# Altium PCB PCB1.PcbDoc (continued)
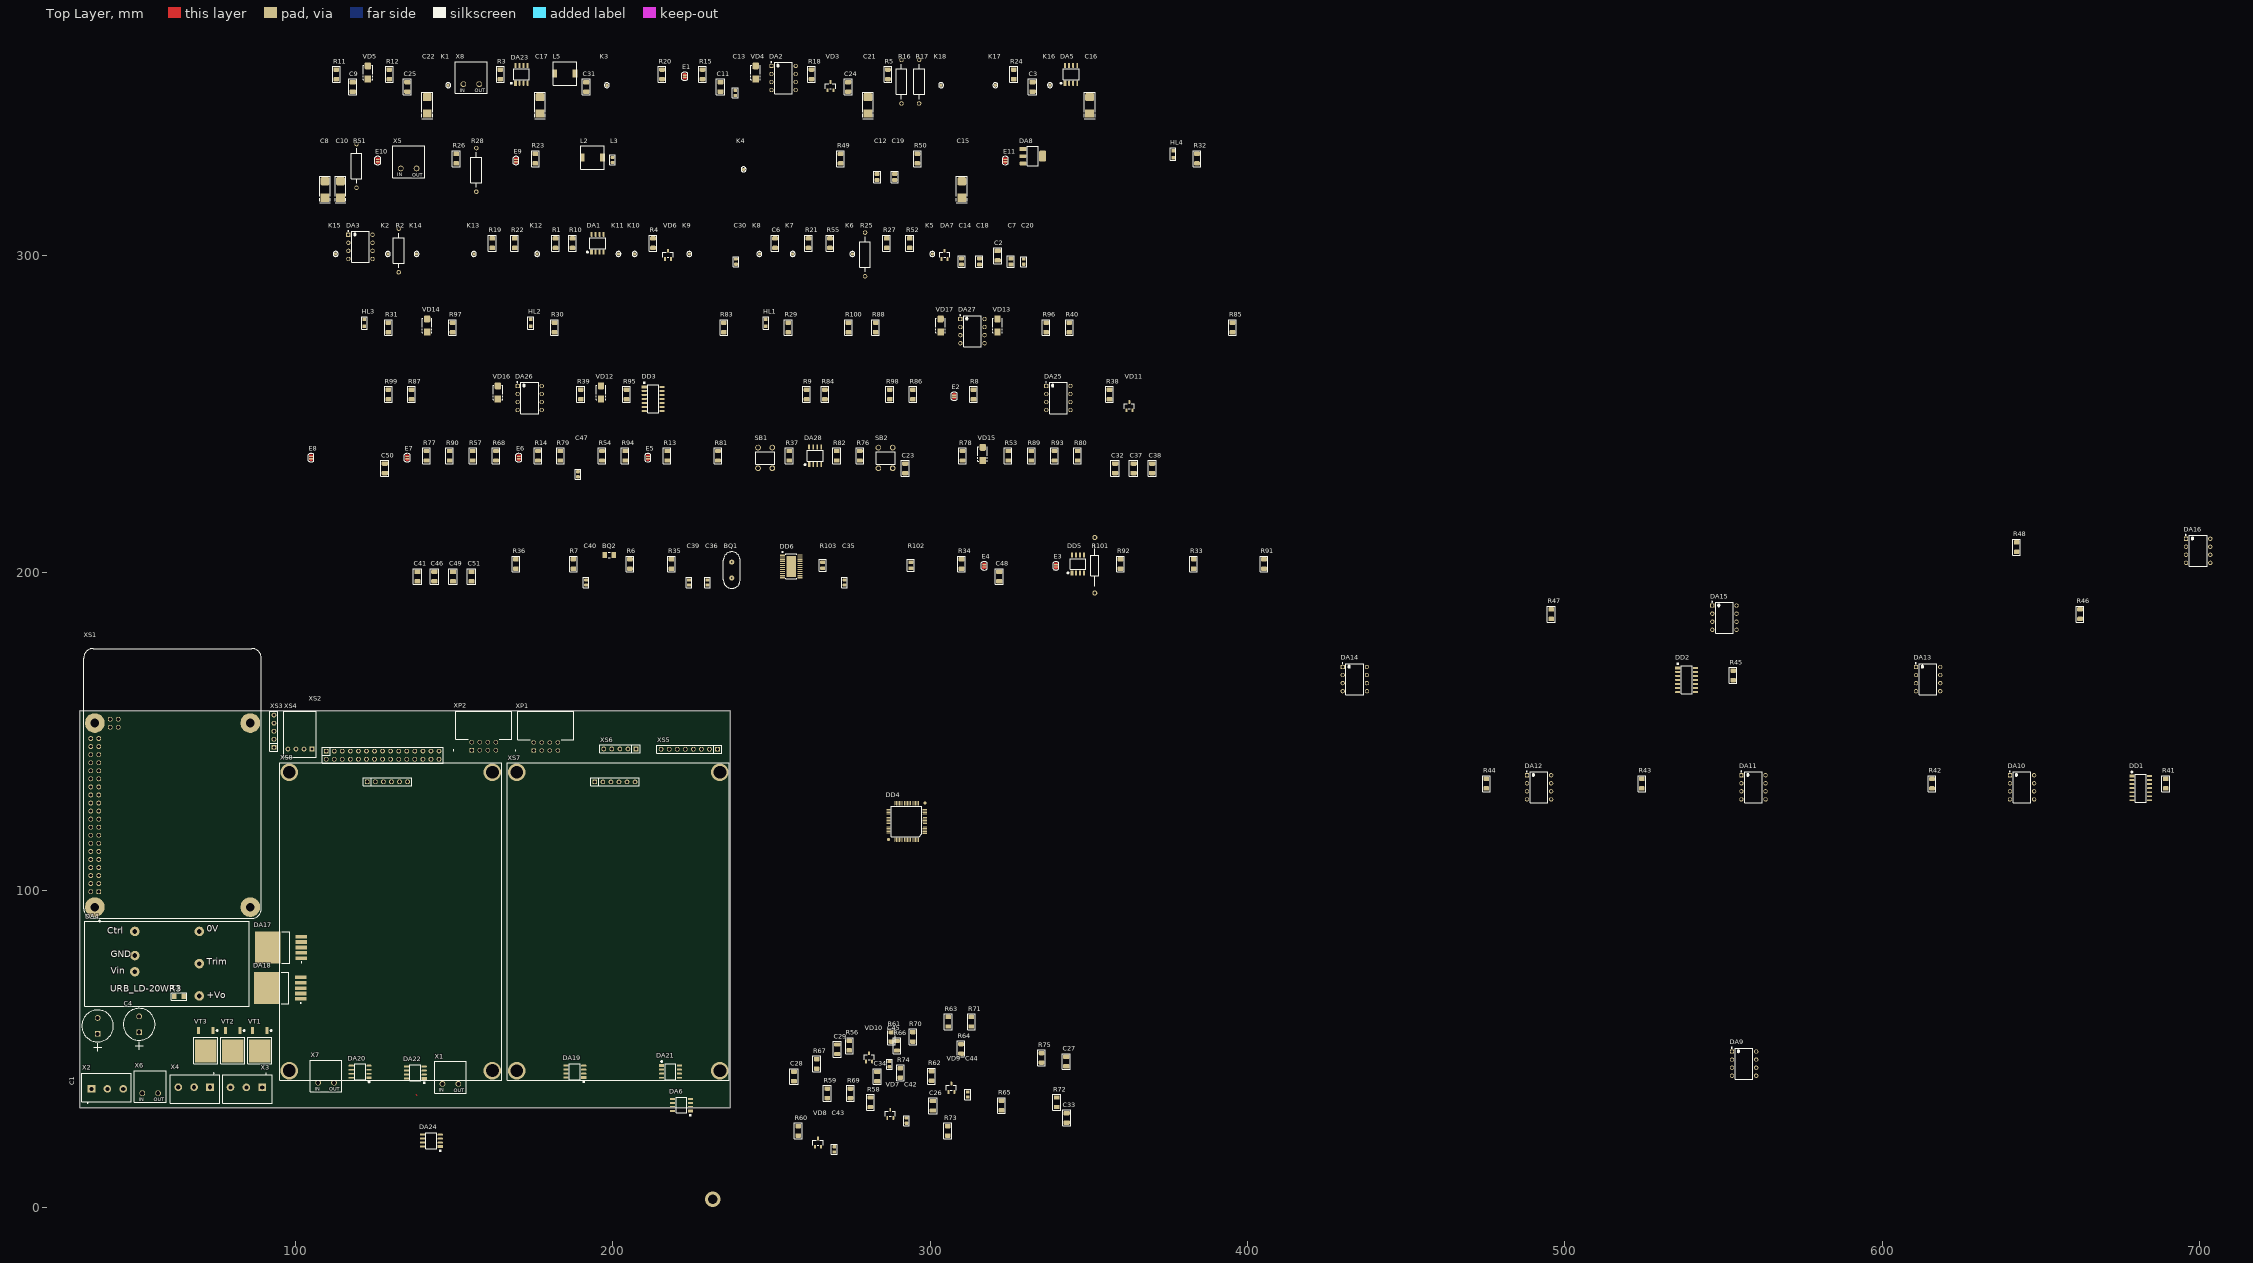
[diagram p0: Top Layer view]
## Footprints (in the part's own frame and the unit in brackets; to place one, negate y for a bottom-side part, rotate by r counter-clockwise, add the part's x,y. Pads: shape width x height; smd on the part's side, far side on the other; paste and mask are expansions set on the pad)
6N136 [mm]
  rect 1.35x1.35 hole 0.85: 1(-3.81,3.81)
  round 1.35 hole 0.85: 2(-3.81,1.27) 3(-3.81,-1.27) 4(-3.81,-3.81) 5(3.81,-3.81) 6(3.81,-1.27) 7(3.81,1.27) 8(3.81,3.81)
  silkscreen extent -4.04,-4.9 2.8,5.14, body extent -3.98,-4.83 3.94,4.83, height 5.08
32768SMD [mm] "32768SMD"
  rect 1.5x1.95 smd: 1(-1.425,0) 2(1.425,0)
  silkscreen extent -0.3,-0.87 0.3,0.87, body extent -1.75,-0.9 1.75,0.9, height 1
B340A [mm] "(SMA) Low profile package"
  rrect40% 2.2x2 smd: A(2.1,0)
  rect 2.2x2 smd: C(-2.1,0)
  silkscreen extent -2.3,-1.5 2.3,1.5, body extent -2.6,-1.3 2.6,1.3, height 2.4
B82472G6472M000 [mm]
  rect 1.5x2.5 smd: 1(-3.2,0) 2(3.2,0)
  silkscreen extent -3.7,-3.7 3.7,3.7, body extent -3.65,-3.65 3.65,3.65, height 3.5
C0603 [mm] "1608(Metric)"
  rrect50% 1x1.2 smd: 1(-0.8,0) 2(0.8,0)
  silkscreen extent -1.6,-0.9 1.6,0.9, body extent -0.8,-0.5 0.8,0.5, height 1.1
C0805 [mm] "2012(Metric)"
  rrect50% 1.2x1.6 smd: 1(-0.95,0) 2(0.95,0)
  silkscreen extent -1.85,-1.1 1.85,1.1, body extent -1,-0.72 1,0.73, height 1.5
C1206 [mm] "3216(Metric)"
  rrect50% 1.4x2 smd: 1(-1.5,0) 2(1.5,0)
  silkscreen extent -2.5,-1.3 2.5,1.3, body extent -1.6,-0.9 1.6,0.9, height 1.5
Capacitor10x20 [mm]
  round 1.8 hole 1.3: n(2.5,0)
  rect 1.8x1.8 hole 1.3: p(-2.5,0)
  silkscreen extent -8,-5 5,5, body extent -5,-5 5,5, height 21
"Case C" [mm] "C6032-P"
  rrect40% 2.6x2.8 smd: n(2.6,0)
  rect 2.6x2.8 smd: p(-2.6,0)
  silkscreen extent -4.2,-1.7 4.2,1.7, body extent -3.15,-1.7 3.15,1.7, height 2.8
DPAK [mm] "КТ-89, TO252"
  rect 2.2x1 smd: 1(-4.45,2.28) 3(-4.45,-2.28)
  rect 7.2x6.8 smd: 2(1.95,0)
  silkscreen extent -4.7,-3.8 5.9,3.8, body extent -4.97,-3.29 4.73,3.29, height 2.3
driver [mm]
  rect 1.5x1.5 hole 1: 1(-0.1,88)
  round 1.5 hole 1: 2(2.44,88) 3(4.98,88) 4(7.52,88) 5(10.06,88) 6(12.6,88)
  silkscreen extent -27.65,-6 42.35,94, body extent -1.38,86.76 13.86,89.29, height 8.6
E1(1mm) [mm]
  round 1 smd: 1(0,0)
  silkscreen extent -0.8,-0.8 0.8,0.8
E2 [mm] "Перемычка"
  rect 0.4x1.2 smd mask+0.1: 1(-0.35,0) 2(0.35,0)
  Top Layer region: -0.15,0.6 -0.7,0.6 -0.886,0.326 -0.953,0.002 -0.891,-0.323 -0.709,-0.6 -0.7,-0.6 -0.15,-0.6
  Top Layer region: 0.15,-0.6 0.7,-0.6 0.923,-0.221 0.926,0.218 0.709,0.6 0.7,0.6 0.15,0.6
  silkscreen extent -1.32,-0.9 1.32,0.9
HC-49S [mm] "HC49 Short Through-hole Mount Footprint"
  round 1.6 hole 0.6: 1(-2.5,0) 3(2.5,0)
  silkscreen extent -5.75,-2.65 5.75,2.65, body extent -5.68,-2.3 5.68,2.35, height 5
KLS2-300-5.00-03P-2S [mm]
  rect 2.4x2.4 / inner round 2.4 / far side rect 2.4x2.4 hole 1.3: 1(0,0)
  round 2.4 hole 1.3: 2(5,0) 3(10,0)
  silkscreen extent -3.1,-4.5 12.5,5, body extent -3.15,-4.92 12.7,5.33, height 14.01
KLS2-301R-5.00-02P-2S [mm]
  round 1.8 hole 1.3: 1(0,0) 2(5,0)
  silkscreen extent -2.5,-2.9 7.5,7.1, body extent -2.62,-3.02 7.62,7.22, height 7.7
KLS7-TS6601-7.0-180 [mm]
  round 1.8 hole 1.2: 1(-2.25,-3.25) 1(-2.25,3.25) 2(2.25,-3.25) 2(2.25,3.25)
  silkscreen extent -3,-2 3,2, body extent -3,-3.75 3,3.75, height 7
LED0805 [mm]
  rect 1.1x1.1 smd: a(-1.1,0) c(1.1,0)
  silkscreen extent -2,-0.9 2,0.9, body extent -1,-0.62 1,0.63, height 0.73
LQFP-64 [mm] "Thin QFP, 64-Leads, Body 10x10mm, Pitch 0.5mm, IPC Medium Density"
  rect 1.4x0.42 smd mask+0.06: 1(-5.75,3.75)
  rrect50% 1.4x0.28 smd mask+0.06: 2(-5.75,3.25) 3(-5.75,2.75) 4(-5.75,2.25) 5(-5.75,1.75) 6(-5.75,1.25) 7(-5.75,0.75) 8(-5.75,0.25) 9(-5.75,-0.25) 10(-5.75,-0.75) 11(-5.75,-1.25) 12(-5.75,-1.75) 13(-5.75,-2.25) 14(-5.75,-2.75) 15(-5.75,-3.25) 16(-5.75,-3.75) 33(5.75,-3.75) 34(5.75,-3.25) 35(5.75,-2.75) 36(5.75,-2.25) 37(5.75,-1.75) 38(5.75,-1.25) 39(5.75,-0.75) 40(5.75,-0.25) 41(5.75,0.25) 42(5.75,0.75) 43(5.75,1.25) 44(5.75,1.75) 45(5.75,2.25) 46(5.75,2.75) 47(5.75,3.25) 48(5.75,3.75)
  rrect50% 0.28x1.4 smd mask+0.06: 17(-3.75,-5.75) 18(-3.25,-5.75) 19(-2.75,-5.75) 20(-2.25,-5.75) 21(-1.75,-5.75) 22(-1.25,-5.75) 23(-0.75,-5.75) 24(-0.25,-5.75) 25(0.25,-5.75) 26(0.75,-5.75) 27(1.25,-5.75) 28(1.75,-5.75) 29(2.25,-5.75) 30(2.75,-5.75) 31(3.25,-5.75) 32(3.75,-5.75) 49(3.75,5.75) 50(3.25,5.75) 51(2.75,5.75) 52(2.25,5.75) 53(1.75,5.75) 54(1.25,5.75) 55(0.75,5.75) 56(0.25,5.75) 57(-0.25,5.75) 58(-0.75,5.75) 59(-1.25,5.75) 60(-1.75,5.75) 61(-2.25,5.75) 62(-2.75,5.75) 63(-3.25,5.75) 64(-3.75,5.75)
  round 1 smd paste-2 mask+0.5: ""(-5.75,-5.75) ""(5.75,5.75)
  silkscreen extent -4.8,-4.8 4.8,4.8, body extent -6,-6 6,6, height 1.6
PBD-30 [mm]
  rect 1.5x1.5 hole 1: 1(0,0)
  round 1.5 hole 1: 2(0,-2.54) 3(2.54,0) 4(2.54,-2.54) 5(5.08,0) 6(5.08,-2.54) 7(7.62,0) 8(7.62,-2.54) 9(10.16,0) 10(10.16,-2.54) 11(12.7,0) 12(12.7,-2.54) 13(15.24,0) 14(15.24,-2.54) 15(17.78,0) 16(17.78,-2.54) 17(20.32,0) 18(20.32,-2.54) 19(22.86,0) 20(22.86,-2.54) 21(25.4,0) 22(25.4,-2.54) 23(27.94,0) 24(27.94,-2.54) 25(30.48,0) 26(30.48,-2.54) 27(33.02,0) 28(33.02,-2.54) 29(35.56,0) 30(35.56,-2.54)
  silkscreen extent -1.27,-3.81 36.86,1.27, body extent -1.27,-3.81 36.83,1.27, height 8.7
PBS-5 [mm]
  rect 1.5x1.5 hole 1: 1(-5.08,0)
  round 1.5 hole 1: 2(-2.54,0) 3(0,0) 4(2.54,0) 5(5.08,0)
  silkscreen extent -6.35,-1.27 6.35,1.27, body extent -6.35,-1.29 6.35,1.25, height 8.5
PBS-8 [mm]
  rect 1.5x1.5 hole 1: 1(-7.62,0)
  round 1.5 hole 1: 2(-5.08,0) 3(-2.54,0) 4(0,0) 5(2.54,0) 6(5.08,0) 7(7.62,0) 8(10.16,0)
  silkscreen extent -8.89,-1.27 11.53,1.27, body extent -8.89,-1.27 11.43,1.27, height 8.6
R0603 [mm] "1608(Metric)"
  rrect50% 1x1.2 smd: 1(-0.8,0) 2(0.8,0)
  silkscreen extent -1.6,-0.9 1.6,0.9, body extent -0.83,-0.5 0.83,0.5, height 0.4
R0805 [mm] "2012(Metric)"
  rrect50% 1.2x1.6 smd: 1(-0.95,0) 2(0.95,0)
  silkscreen extent -1.85,-1.1 1.85,1.1, body extent -1.03,-0.72 1.03,0.73, height 0.45
R1206 [mm] "3216M"
  rrect50% 1.4x1.8 smd: 1(-1.5,0) 2(1.5,0)
  silkscreen extent -2.5,-1.2 2.5,1.2, body extent -1.63,-0.9 1.63,0.9, height 0.5
RPI4B [mil]
  rect 60x60 / inner round 60 / far side rect 60x60 hole 40: 1(-1343.7,914.57)
  round 60 hole 40: 2(-1343.7,1014.57) 3(-1243.7,914.57) 4(-1243.7,1014.57) 5(-1143.7,914.57) 6(-1143.7,1014.57) 7(-1043.7,914.57) 8(-1043.7,1014.57) 9(-943.7,914.57) 10(-943.7,1014.57) 11(-843.7,914.57) 12(-843.7,1014.57) 13(-743.7,914.57) 14(-743.7,1014.57) 15(-643.7,914.57) 16(-643.7,1014.57) 17(-543.7,914.57) 18(-543.7,1014.57) 19(-443.7,914.57) 20(-443.7,1014.57) 21(-343.7,914.57) 22(-343.7,1014.57) 23(-243.7,914.57) 24(-243.7,1014.57) 25(-143.7,914.57) 26(-143.7,1014.57) 27(-43.7,914.57) 28(-43.7,1014.57) 29(56.3,914.57) 30(56.3,1014.57) 31(156.3,914.57) 32(156.3,1014.57) 33(256.3,914.57) 34(256.3,1014.57) 35(356.3,914.57) 36(356.3,1014.57) 37(456.3,914.57) 38(456.3,1014.57) 39(556.3,914.57) 40(556.3,1014.57) 41(796.46,673.5) 42(796.46,773.5) 43(696.46,673.5) 44(696.46,773.5)
  round 244.09 hole 108.27: S1(-1535.43,964.57) S2(748.03,964.57) S3(748.03,-964.57) S4(-1535.43,-964.57)
  silkscreen extent -1717,-1102 1673,1102, body extent 925,-1004 1673,1004, height 630
SAMTEC_TST-104-04-T-D-RA [mm]
  rect 1.37x1.37 hole 1.02: 1(0,0)
  round 1.37 hole 1.02: 2(0,2.54) 3(2.54,0) 4(2.54,2.54) 5(5.08,0) 6(5.08,2.54) 7(7.62,0) 8(7.62,2.54)
  silkscreen extent -5.83,-0.1 12.7,12.32, body extent -5.09,-0.33 12.69,12.31, height 9.3
SOIC-8 [mm] "4320.8-А Small Outline; 8 Leads; Body Width 3.9 mm; Pitch 1.27 mm"
  rect 1.6x0.9 smd: 1(-2.8,1.905)
  rrect50% 1.6x0.6 smd: 2(-2.8,0.635) 3(-2.8,-0.635) 4(-2.8,-1.905) 5(2.8,-1.905) 6(2.8,-0.635) 7(2.8,0.635) 8(2.8,1.905)
  silkscreen extent -3,-2.5 1.7,3.4, body extent -3.1,-2.5 3.1,2.5, height 1.73
SOIC-14 [mm] "JEDEC MS-012"
  rect 1.6x0.9 smd: 1(-2.8,3.81)
  rrect50% 1.6x0.6 smd: 2(-2.8,2.54) 3(-2.8,1.27) 4(-2.8,0) 5(-2.8,-1.27) 6(-2.8,-2.54) 7(-2.8,-3.81) 8(2.8,-3.81) 9(2.8,-2.54) 10(2.8,-1.27) 11(2.8,0) 12(2.8,1.27) 13(2.8,2.54) 14(2.8,3.81)
  silkscreen extent -3,-4.4 1.7,5.3, body extent -3.1,-4.4 3.1,4.4, height 1.73
SOT-23-3 [mm] "TO-236, SOT-346, SC59"
  rect 1.2x0.6 smd: 1(-1.3,0.95)
  rrect50% 1.2x0.6 smd: 2(-1.3,-0.95) 3(1.3,0)
  silkscreen extent -0.8,-1.6 0.8,1.6, body extent -1.17,-1.46 1.17,1.46, height 1
SOT-223-3 [mm]
  rect 2.2x1.2 smd: 1(-3.1,2.3)
  rrect50% 2.2x1.2 smd: 2(-3.1,0) 3(-3.1,-2.3)
  rrect40% 2.2x3.5 smd: 2(3.1,0)
  silkscreen extent -1.7,-3 1.7,3.09, body extent -3.5,-3.25 3.5,3.25, height 1.83
TO-263-5 [mm] "D2-PAK, 6-Pads, Body 8,9x9,9mm (max), IPC Low Density"
  rect 3.6x1.15 smd: 1(-6.45,3.4) 2(-6.45,1.7) 3(-6.45,0) 4(-6.45,-1.7) 5(-6.45,-3.4)
  rect 8.1x10.15 smd paste-5: 6(4.2,0)
  silkscreen extent -6.6,-4.95 -0.25,4.95, body extent -7.31,-5.08 7.33,5.08, height 4.57
TSSOP-24 [mm]
  rect 1.6x0.5 smd mask+0.08: 1(-2.8,3.575)
  rrect50% 1.6x0.35 smd mask+0.08: 2(-2.8,2.925) 3(-2.8,2.275) 4(-2.8,1.625) 5(-2.8,0.975) 6(-2.8,0.325) 7(-2.8,-0.325) 8(-2.8,-0.975) 9(-2.8,-1.625) 10(-2.8,-2.275) 11(-2.8,-2.925) 12(-2.8,-3.575) 13(2.8,-3.575) 14(2.8,-2.925) 15(2.8,-2.275) 16(2.8,-1.625) 17(2.8,-0.975) 18(2.8,-0.325) 19(2.8,0.325) 20(2.8,0.975) 21(2.8,1.625) 22(2.8,2.275) 23(2.8,2.925) 24(2.8,3.575)
  rect 2.9x6.5 smd: ""(0,0)
  silkscreen extent -2.9,-3.95 1.7,4.65, body extent -3.3,-3.95 3.3,3.95, height 1.18
type-c [mm]
  rect 1.5x1.5 hole 1: 1(-2.54,0)
  round 1.5 hole 1: 2(0,0) 3(2.54,0) 4(5.08,0)
  silkscreen extent -3.81,-12 6.4,2.58
URB_LD-20WR3 [mm]
  round 3 hole 1.5: 1(-10.16,10.16) 2(-10.16,2.54) 3(-10.16,-2.54) 4(10.16,-10.16) 5(10.16,0) 6(10.16,10.16)
  silkscreen extent -25.95,-13.35 25.95,13.35, body extent -25.4,-12.7 25.4,12.7, height 12
С2-29В [mm]
  round 1.4 hole 0.9: 1(0,0) 2(13.75,0)
  silkscreen extent 1.38,-1.7 12.37,1.7, body extent -0.3,-1.75 14.05,1.75, height 4.5
С2-29В-0.062 [mm] "C2-29В-0,062 (Подборный)"
  round 1.6 hole 0.9: 1(0,0) 2(17.5,0)
  silkscreen extent 2.1,-1.25 15.4,1.25, body extent -0.99,-1.15 18.5,1.15, height 5

## Part data
BQ1: library part HC-49S_8MHZ, Manufacturer=Китай, Part Number=8.000MHzHC-49US, Article=297062262, Price=38, Type="Резонатор кварцевый"
BQ2: library part 32768hz, "Кварцевый резонатор", Manufacturer=Китай, Article=9000372611, Part Number=32768hz, Price=98, Type="Резонатор кварцевый"
C1 C4: library part JRB2A101M05001000200000B, "Конденсатор электролитический алюминиевый", Manufacturer="JB Capactiors", Article=9000565887, Part Number=JRB2A101M05001000200000B, Price=24, Type=Конденсатор
C2 C3 C9 C11 C23 C24 C25 C31 C32 C33 C34 C37 C38 C41 C48 C49 C51: library part "0.1 мкФ Х7R 100В 10% 1206", "Конденсатор 0,1 мкФ 100 В", Manufacturer=Китай, Voltage="1 кВ", Part Number="0.1 мкФ Х7R 100В 10% 1206", Price=6, Type=Конденсатор
C5 C6: library part GRM31BR73A102K, "Конденсатор 1000пФ", Manufacturer=Murata, Voltage="1 кВ", Article=961638233, Part Number=GRM31BR73A102K, Price=24, Type=Конденсатор
C7 C12 C14 C18 C19: library part "1 мкФ X7R 16В 10% 0805", "Конденсатор 1 мкФ 16 В", Manufacturer=Китай, Voltage="16 В", Article=768017701, Part Number="1 мкФ X7R 16В 10% 0805", Price=9, Type=Конденсатор
C8 C10 C21 C22: library part TECAP100/10VC, "Конденсатор танталовый 100 мкФ", Manufacturer=TECAP, Part Number="TECAP100/10VC, 10%", Article=9000629231, Price=39, Type=Конденсатор
C13 C20 C30 C42 C43 C44 C45 C47: library part "0.01 мкФ  X7R 50В 10% 0603", "Конденсатор 0,01 мкФ 50 В", Manufacturer=Murata, Voltage="50 В", Article=238964796, Part Number="0.01 мкФ  X7R 50В 10% 0603", Price=7, Type=Конденсатор
C15: library part "TECAP100/10VC, 10%", "Конденсатор танталовый 100 мкФ", Manufacturer=TECAP, Part Number="TECAP100/10VC, 10%", Price=39, Type=Конденсатор
C16 C17: library part TECAP10/35VC, "Конденсатор танталовый 10 мкФ", Manufacturer=TECAP, Part Number="TECAP10/35VC, 10%", Voltage="35 В", Article=9000629228, Price=46, Type=Конденсатор
C26 C27 C28 C29 C50: library part "1000пФ X7R 50В 10% 1206", "Конденсатор 1000пФ 50 В", Manufacturer=Китай, Voltage="50 В", Article=9000028006, Part Number="1000пФ X7R 50В 10% 1206", Price=9, Type=Конденсатор
C35 C36 C39 C40: "Конденсатор", Dielectric Type=NP0, Manufacturer=Murata, Tolerance=±5%, Voltage=50В, Working Temperature Max=+125°С, Working Temperature Min=-55°С, Application Category=1, Type=Конденсатор
  C35 C36: ID=122, Part Number=GRM1885C1H220JA01D, Partnumber=GRM1885C1H220JA01D
  C39 C40: ID=121, Part Number=GRM1885C1H120JA01D, Partnumber=GRM1885C1H120JA01D
C46: library part C3216X7R1E475KT000N, "Конденсатор 4,7 мкФ 25 В", Manufacturer=TDK, Voltage="25 В", Article=8017208948, Part Number=C3216X7R1E475KT000N, Price=22, Type=Конденсатор
DA1: "Операционный усилитель", Manufacturer=UMW, Package=SOP-8, Article=9001105975, Part Number=LM358ADR, Price=9, Type=Микросхема
DA2 DA3 DA9 DA10 DA11 DA12 DA13 DA14 DA15 DA16 DA25 DA26 DA27: "Оптопара транзисторная", Manufacturer=UMW, Package=dip-8, Article=9001106156, Part Number=6N136, Price=36, Type=Микросхема
DA4: library part "DC-DC URB2405LD-20WR3", "DC/DC преобразователь", Manufacturer=URB2405LD-20WR3, Part Number=Mornsun, Price=900, Type="Модуль питания"
DA5 DA6 DA23 DA24: library part LMV358IDR, Supply Current=210uA, Application Category=1, Bandwidth=1MHz, ID=45, Part Number=LMV358IDR, Rail-to-Rail=+\+, Slew Rate=1V/µs, Supply Operation=+2.7…5.5V, Type=Микросхема
DA7: library part TL431IDBZR.215, "Источник опорного напряжения", Input Voltage=36V, Manufacturer=Nexperia, Output Current=100mA, Reference current=10mA, Reference voltage=2495mV, Tolerance=2.0%, Total Power Dissipation=580mW, Working Temperature Max=+85°С, Working Temperature Min=-40°С, Application Category=1, Article 1C=0984668, Functional Analog=AS431H, ID=1, Part Number=TL431IDBZR.215, Type=Микросхема
DA8: library part AMS1117-3.3, "Стабилизатор напряжения", Manufacturer=UMW, Max Current=0.8A, Package=SOT-223, Article=9001169164, Part Number=AMS1117-3.3, Price=9, Type=Микросхема
DA17 DA18: "Импульсный стабилизатор напряжения", Manufacturer=UMW, Package=TO-263-5, Article=9001169284, Part Number=LM2576S-5.0, Price=84, Type=Микросхема
DA19 DA20 DA21 DA22 DA28: "Датчик тока", Manufacturer="Allegro Systems", Package=SOIC-8, Article=8010447146, Part Number=ACS712ELCTR-05B-T, Price=220
DD1 DD2 DD3: library part SN74HC00D, "SNx4HC00 Quadruple 2-Input NAND Gates", High-level output current=-20mA, Input Voltage (max)=5.9V, Low-level output current=20mA, Manufacturer="Texas Instruments", Output Voltage (max)=Vcc, Power dissipation (max)=-, Supply Current=20uA, Working Temperature Max=+85°C, Working Temperature Min=-40°C, Application Category=1, Article 1C=0988355, Channels=4, Function=NAND, ID=18, Part Number=SN74HC00D, Polarity=Inverting, Response Time=400nS, Supply Operation=+2…6V, Type=Микросхема
DD4: library part STM32F303RBT6, "STM32F303RBT6", Manufacturer=STMicroelectronics, Operating temperature="-40°C to 85°C", Operation frequency=72MHz, Voltage range="1.7 V to 3.6 V", ADC=4, Article=9001089793, Clock management="4 to 32 MHz crystal oscillator", Core=Cortex®-M4, DAC=2, Flash=128KB, I/O Lines=87, Part Number=STM32F303RBT6, Price=410, Timers=13, Type=Микроконтроллер
DD5: "Высокоскоростной CAN-Трансивер, 1Мб/с, 12В/24В, до 112 узлов", Manufacturer=Microchip, Package=SO-8, Part Number=MCP2551T-I/SN, Article=9000071123, Price=160, Type=Микросхема
DD6: "Преобразователь уровней 5В-3,3В", Manufacturer=Nexperia, Package=TSSOP-24, Article=9000002267, Part Number=74LVC4245APW,118, Price=140, Type=Микросхема
E1 E2 E3 E4 E5 E6 E7 E8 E9 E10 E11: library part E, "Перемычка", Type=Перемычка
HL1: Color=Red, Forward Current=30mA, Forward Voltage=2.5V, Manufacturer=Kingbright, Power Dissipation=75mW, Working Temperature Max=+85°С, Working Temperature Min=-40°С, Application Category=1, Article 1C=-, ID=23, Leds=1, Luminous Flux=150, Part Number=KP-2012SURCK, Type="Индикатор единичный"
HL2: Color=Green, Forward Current=25mA, Forward Voltage=2.5V, Manufacturer=Kingbright, Power Dissipation=62.5mW, Working Temperature Max=+85°С, Working Temperature Min=-40°С, Application Category=1, Article 1C=062604, ID=21, Leds=1, Part Number=KP-2012SGC, Type="Индикатор единичный"
HL3 HL4: Color=Yellow, Forward Current=30mA, Forward Voltage=2.5V, Manufacturer=Kingbright, Power Dissipation=75mW, Working Temperature Max=+85°С, Working Temperature Min=-40°С, Application Category=1, Article 1C=0961238, ID=22, Leds=1, Luminous Flux=150, Part Number=KP-2012SYCK, Type="Индикатор единичный"
K1 K2 K3 K4 K5 K6 K7 K8 K9 K10 K11 K12 K13 K14 K15 K16 K17 K18: library part КТ, "Контрольная точка", Type="Неразборное соединение"
L1 L2 L4 L5: library part B82472G6472M000, "Дроссель", Manufacturer=Epcos, Max Current="2.5 A", Article=9000504715, Part Number=B82472G6472M000, Type=Дроссель
L3: library part BLM18HG102SN1D, "Дроссель", Manufacturer=Murata, Max Current="0,1 А", Package=0603, Article=218909268, Part Number=BLM18HG102SN1D, Type=Дроссель
R1 R11 R12 R20 R22 R76 R77 R78 R79 R80 R81 R83 R84 R85: library part "0.25Вт 1206 100 кОм, 1%", "Резистор", Manufacturer=Тайвань, Package=1206, Article=9000079697, Part Number="0.25Вт 1206 100 кОм, 1%", Price=6, Type=Резистор
R2: library part "С2-29В-0,125-20 кОм ± 0,05 %-1.0-А", "Резистор", Part Number="С2-29В-0,125-20 кОм ± 0,05 %-1.0-А", Type=Резистор
R3 R5 R15 R21: library part RC1206JR-070RL, "Резистор", Limit Voltage=200В, Manufacturer=Yageo, Temperature Coefficient=100ppm, Tolerance=±5%, Total Power Dissipation=0.25W, Working Temperature Max=+155°С, Working Temperature Min=-55°С, Application Category=1, ID=167, Part Number=RC1206JR-070RL, Series Type=Thick-Film, Type=Резистор
R4: library part "0.25Вт 1206 30 кОм, 1%", "Резистор", Manufacturer=Тайвань, Package=1206, Article=9000079684, Part Number="0.25Вт 1206 30 кОм, 1%", Price=6, Type=Резистор
R6 R7 R8 R9 R29 R30 R31 R32 R33 R34 R35 R36 R37 R38 R39 R40 R86 R87 R88 R98 R99 R100: library part "0.25Вт 1206 1 кОм, 1%", "Резистор", Manufacturer=Тайвань, Package=1206, Article=9000079635, Part Number="0.25Вт 1206 1 кОм, 1%", Price=6, Type=Резистор
R10 R24 R55 R72 R73 R74 R75 R82: library part "0.25Вт 1206 2 кОм, 5%", "Резистор", Manufacturer=Тайвань, Package=1206, Article=984099856, Part Number="0.25Вт 1206 2 кОм, 5%", Price=6, Type=Резистор
R13 R14 R91 R92: library part RC1206JR-07150RL, "Резистор", Limit Voltage=200В, Manufacturer=Yageo, Temperature Coefficient=100ppm, Tolerance=±5%, Total Power Dissipation=0.25W, Working Temperature Max=+155°С, Working Temperature Min=-55°С, Application Category=1, ID=182, Part Number=RC1206JR-07150RL, Series Type=Thick-Film, Type=Резистор
R16: library part "С2-29В-0,125-8,25 кОм ± 0,05 %-1.0-А", "Резистор", Part Number="С2-29В-0,125-8,25 кОм ± 0,05 %-1.0-А", Type=Резистор
R17: library part "С2-29В-0,125-9,09 кОм ± 0,05 %-1.0-А", "Резистор", Part Number="С2-29В-0,125-9,09 кОм ± 0,05 %-1.0-А", Type=Резистор
R18 R19 R27 R41 R42 R43 R44 R45 R46 R47 R48 R49 R50 R52 R53 R54 R56 R57 R58 R59 R60 R61 R62 R63 R64 R65 R66 R67 R68 R69 R70 R71 R89 R90 R93 R94 R95 R96 R97: library part "0.25Вт 1206 10 кОм, 1%", "Резистор", Manufacturer=Тайвань, Package=1206, Article=9000079659, Part Number="0.25Вт 1206 10 кОм, 1%", Price=6, Type=Резистор
R23: library part "Р1-12-0,25-200 Ом ± 5 % - М", "Резистор", Limit Voltage=200В, Manufacturer="ОАО \"Ресурс\"", Temperature Coefficient=250ppm, Tolerance=±5%, Total Power Dissipation=0,25W, Working Temperature Max=+85°С, Working Temperature Min=-60°С, Application Category=5, Article 1C=000495, ID=135, Part Number="Р1-12-0,25-200 Ом ± 5 % - М", Specification=ШКАБ.434110.002ТУ, Type=Резистор
R25: library part "С2-29В-0,125-100 кОм ± 0,05 %-1.0-А", "Резистор", Part Number="С2-29В-0,125-100 кОм ± 0,05 %-1.0-А", Type=Резистор
R26: library part "Р1-12-0,25-2,2 кОм ± 5 % - М", "Резистор", Limit Voltage=200В, Manufacturer="ОАО \"Ресурс\"", Temperature Coefficient=250ppm, Tolerance=±5%, Total Power Dissipation=0,25W, Working Temperature Max=+85°С, Working Temperature Min=-60°С, Application Category=5, Article 1C=-, ID=156, Part Number="Р1-12-0,25-2,2 кОм ± 5 % - М", Specification=ШКАБ.434110.002ТУ, Type=Резистор
R28: library part "С2-29В-0,125-715 Ом ± 0,05 %-1.0-А", "Резистор", Part Number="С2-29В-0,125-715 Ом ± 0,05 %-1.0-А", Type=Резистор
R51: library part "С2-29В-0,125-23 кОм ± 0,05 %-1.0-А", "Резистор", Part Number="С2-29В-0,125-23 кОм ± 0,05 %-1.0-А", Type=Резистор
R101: library part "С2-29В-0,062-280 кОм±0,1%-1.0-А", "Резистор", Limit Voltage=150В, Manufacturer="ОАО «НПО «ЭРКОН»", Temperature Coefficient=75ppm, Tolerance=±0,1%, Total Power Dissipation=0,062W, Working Temperature Max=+125°С, Working Temperature Min=-60°С, Application Category=5, Article 1C=054388, ID=914, Part Number="С2-29В-0,062-280 кОм±0,1%-1.0-А", Specification=ОЖ0.467.099ТУ, Type=Резистор
R102 R103: library part "0805 4.7кОм ±5% 0.125Вт", "Резистор", Manufacturer=Тайвань, Package=0805, Article=8026382694, Part Number="0805 4.7кОм ±5% 0.125Вт", Price=3, Type=Резистор
SB1 SB2: library part KLS7-TS6601-7.0-180, Manufacturer=KLS, Article=9000336827, Part Number=KLS7-TS6601-7.0-180, Price=9, Type=Переключатель
VD1 VD2 VD4 VD5 VD12 VD13 VD14 VD15 VD16 VD17: library part B340A, "Диод Шоттки", Current="3 A", Manufacturer=Vishay, Package=SMA, Reverse Voltage="40 V", Article=9001002895, Part Number=B340A, Price=7, Type="Диод Шоттки"
VD3 VD6 VD7 VD8 VD9 VD10 VD11: library part BZX84-C3V3, Capacitance=450pF, Differential resistance=95ohm, Forward Current=200mA, Forward Voltage=0.9V, Manufacturer=NXP, Reverse Current=5uA, Total Power Dissipation=250mW, Working Temperature Max=+150°С, Working Temperature Min=-65°С, Working Voltage=3.3V, Application Category=1, Article 1C=088022, ID=10, Part Number=BZX84-C3V3, Type=Стабилитрон
VT1 VT2 VT3: "N-channel MOSFET", Manufacturer=UMW, Package=DPAK/TO-252, Article=9001169193, Part Number=IRFR024NTR, Price=28, Type=Транзистор
X1 X2 X3 X4 X5 X6 X7 X8: "Соединитель", Current="16 А", Manufacturer=KLS
  X1 X5 X6 X7 X8: Article=9000329476, Part Number=KLS2-301R-5.00-02P-2S, Price=18
  X2 X3 X4: Part Number=KLS2-300-5.00-03P-2S, Price=35
XP1 XP2: "Вилка", Manufacturer=Connfly, Article=8841479946, Part Number=IDC-08MR, Price=15, Type=Вилка
XS1: "Розетка", Manufacturer=Connfly, Part Number=DS1023-2*20S21, Article=29417, Price=29, Type=Розетка
XS2: "Розетка", Manufacturer=Connfly, Part Number=DS1023-2*15S21, Article=26334, Price=34, Type=Розетка
XS3 XS6: "Розетка", Manufacturer=Connfly, Part Number=DS1023-1*5S21, Article=29527, Price=9, Type=Розетка
XS4: "Розетка", Manufacturer=Connfly, Part Number=DS1023-1*4S21, Article=12854, Price=9, Type=Вилка
XS5: "Розетка", Manufacturer=Connfly, Part Number=DS1023-1*8S21, Article=32562, Price=13, Type=Розетка
XS7 XS8: "Розетка", Manufacturer=Connfly, Part Number=DS1023-1*6S21, Article=63236, Price=13, Type=Розетка

## Via types
v1: diameter 5.5, hole 4, Top Layer to Bottom Layer, 8 vias
v2: diameter 5, hole 3, Top Layer to Bottom Layer, 1 vias

## Nets (pads, with @x,y where several pads share a name; then routed paths per layer and width w, separated by ;. In a path a pad name is that pad's centre, name@x,y a point inside that pad or via, vN(x,y) a via of type N, cw(c..) or ccw(c..) an arc to the next point about the centre after c; other vN are vias at no path point)
0V: C1.n C2.2 C3.2 C4.n C6.1 C16.n C17.n C21.n C22.n C24.1 C25.1 DA1.4 DA2.3 DA4.2 DA9.5 DA10.5 DA11.5 DA12.5 DA13.5 DA14.5 DA15.5 DA16.5 DA17.3 DA17.5 DA18.3 DA18.5 DD1.7 DD2.7 K18.1 R3.1 R4.2 R11.2 VD4.A VD5.A X1.2 X2.3 XS7.6 XS8.6
0V_LOAD: R95.1 R96.1 R97.1 VD12.A VD13.A VD14.A VT1.3 VT2.3 VT3.3 X4.1 X4.2 X4.3
1V_REF: DA6.3 R51.1 R52.2
3V3: C31.2 C32.2 C37.2 C38.2 C41.2 C46.1 C51.2 DD3.14 DD4.1 DD4.19 DD4.32 DD4.48 DD4.64 DD6.2 DD6.23 DD6.24 E10.2 E11.1 R30.1 R50.2 R53.1 R83.2 R84.2 R85.2 R86.2 R87.2 R88.2 R102.1 R103.1 SB1.2 XS2.3 XS2.11 XS2.30 XS3.1 XS6.1
3V3_PI: XS1.1 XS1.17 XS5.1
ADC_EXT_SIGNAL: C30.1 DD4.23 R55.2 VD6.3
ADC_TEST: DD4.21 R49.1 R50.1
AGND: C9.1 C10.n C11.1 C13.2 C14.2 C18.2 C20.2 C26.1 C27.1 C28.1 C29.1 C30.2 C33.1 C34.1 C42.2 C43.2 C44.2 C45.2 C47.2 C50.1 DA5.4 DA6.4 DA7.3 DA19.5 DA20.5 DA21.5 DA22.5 DA23.4 DA24.4 DA28.5 DD4.12 R15.2 R20.1 R21.2 R25.1 R27.1 R52.1 R64.2 R65.2 R66.2 R67.2 R90.2 VD3.1 VD6.1 VD7.1 VD8.1 VD9.1 VD10.1 VD11.1 XS2.13
BOOT: DD4.60 R54.2 SB1.1
CAN_H: DD5.7 R101.2 XS2.19
CAN_L: DD5.6 R101.1 XS2.20
CAN_RX: DD4.61 DD5.4
CAN_TX: DD4.62 DD5.1
CS1: DD4.33 R8.1
CS2: E8.2 R9.1 XS2.17
CTRL: DA4.1 X1.1
CURRENT_M1: C42.1 DD4.14 R72.2 VD7.3
CURRENT_M2: C43.1 DD4.15 R73.2 VD8.3
CURRENT_M3: C44.1 DD4.16 R74.2 VD9.3
CURRENT_M4: C45.1 DD4.17 R75.2 VD10.3
CURRENT_MOWER: C47.1 DD4.20 R82.2 VD11.3
DIR1: DD1.8 K12.1 XS8.2
DIR2: DD1.11 K13.1 XS8.4
DIR3: DD2.8 K14.1 XS7.2
DIR4: DD2.11 K15.1 XS7.4
DRDY: XS1.36 XS6.5
EXT_TO_ADC: DA5.5 XS2.12
GND: C6.2 C7.2 C8.n C12.2 C15.n C19.2 C23.1 C31.1 C32.1 C35.2 C36.2 C37.1 C38.1 C39.2 C40.2 C41.1 C46.2 C48.2 C49.2 C51.1 DA4.6 DA8.1 DA9.3 DA10.3 DA11.3 DA12.3 DA13.3 DA14.3 DA15.3 DA16.3 DD3.7 DD4.31 DD4.47 DD4.63 DD5.2 DD6.11 DD6.12 DD6.13 HL1.c HL2.c HL3.c HL4.c K5.1 R21.1 R49.2 R54.1 R76.2 R77.2 R78.2 R79.2 R80.2 R81.2 SB2.1 XP1.2 XP1.6 XP2.2 XP2.6 XS1.6 XS1.9 XS1.14 XS1.20 XS1.25 XS1.30 XS1.34 XS1.39 XS2.2 XS2.4 XS2.18 XS3.2 XS4.4 XS5.2 XS6.2
HALL_A1: DD4.41 DD6.21
HALL_A2: DD4.44 DD6.19
HALL_A3: DD4.37 DD6.17
HALL_A4: DD4.56 DD6.15
HALL_A_M1: DD6.3 XP1.3
HALL_A_M2: DD6.5 XP1.7
HALL_A_M3: DD6.7 XP2.3
HALL_A_M4: DD6.9 XP2.7
HALL_B1: DD4.42 DD6.20
HALL_B2: DD4.45 DD6.18
HALL_B3: DD4.38 DD6.16
HALL_B4: DD4.57 DD6.14
HALL_B_M1: DD6.4 XP1.4
HALL_B_M2: DD6.6 XP1.8
HALL_B_M3: DD6.8 XP2.4
HALL_B_M4: DD6.10 XP2.8
I2C_SCL: DD4.58 E4.2 R102.2 XS2.6 XS6.3
I2C_SDA: DD4.59 E3.2 R103.2 XS2.5 XS6.4
INT1: XS1.29 XS5.7
INT2: XS1.31 XS5.8
M1_N: DA19.3 DA19.4 X5.2
M1_P: DA19.1 DA19.2 X5.1
M2_N: DA20.3 DA20.4 X6.2
M2_P: DA20.1 DA20.2 X6.1
M3_N: DA21.3 DA21.4 X7.2
M3_P: DA21.1 DA21.2 X7.1
M4_N: DA22.3 DA22.4 X8.2
M4_P: DA22.1 DA22.2 X8.1
MCU_DIR1: DD4.8 R35.1
MCU_DIR2: DD4.9 R36.2
MCU_DIR3: DD4.10 R39.1
MCU_DIR4: DD4.11 R40.2
MCU_PWM1: DD4.29 R33.1
MCU_PWM2: DD4.30 R34.1
MCU_PWM3: DD4.50 R37.1
MCU_PWM4: DD4.55 R38.1
MOWER1_M: DA28.1 DA28.2 VD15.A X3.1
MOWER2_M: VD13.C VD16.A VT2.2 X3.2
MOWER3_M: VD14.C VD17.A VT3.2 X3.3
NetBQ1_1: BQ1.1 C36.1 DD4.4
NetBQ1_3: BQ1.3 C35.1 DD4.3
NetBQ2_1: BQ2.1 C40.1 DD4.6
NetBQ2_3: C39.1 DD4.5
NetC4_p: C4.p C5.1 DA4.3 L1.2
NetC14_1: C14.1 E9.2 E10.1 L3.1
NetC15_p: C15.p C19.1 DA8.2 E11.2
NetC26_2: C26.2 DA19.6
NetC27_2: C27.2 DA20.6
NetC28_2: C28.2 DA21.6
NetC29_2: C29.2 DA22.6
NetC50_2: C50.2 DA28.6
NetDA1_1: DA1.1 R10.1
NetDA1_2: DA1.2 R1.1 R4.1
NetDA1_3: DA1.3 R2.2 R5.1
NetDA1_5: DA1.5 R11.1 R12.2
NetDA1_6: DA1.6 DA1.7 K1.1
NetDA2_2: DA2.2 DA3.3
NetDA2_5: DA2.5 R3.2
NetDA2_6: DA2.6 R5.2
NetDA2_8: DA2.8 E1.1
NetDA3_2: DA3.2 R10.2
NetDA3_5: DA3.5 R15.1
NetDA3_6: DA3.6 R16.1 R17.1 R18.1
NetDA5_1: DA5.1 R22.1 R24.1
NetDA5_2: DA5.2 R19.2 R22.2
NetDA5_3: DA5.3 R18.2 R20.2
NetDA5_6: DA5.6 DA5.7 R55.1
NetDA6_5: DA6.5 R90.1 R94.2
NetDA6_6: DA6.6 R89.1 R93.2
NetDA6_7: DA6.7 R82.1 R89.2
NetDA7_1: DA7.1 E9.1 K4.1 R23.2 R28.2
NetDA7_2: DA7.2 R25.2 R26.1 R27.2
NetDA9_2: DA9.2 R33.2
NetDA9_6: DA9.6 DD1.1 DD1.2 R41.1
NetDA10_2: DA10.2 R34.2
NetDA10_6: DA10.6 DD1.4 DD1.5 R42.1
NetDA11_2: DA11.2 R35.2
NetDA11_6: DA11.6 DD1.9 DD1.10 R43.1
NetDA12_2: DA12.2 R36.1
NetDA12_6: DA12.6 DD1.12 DD1.13 R44.1
NetDA13_2: DA13.2 R37.2
NetDA13_6: DA13.6 DD2.1 DD2.2 R45.1
NetDA14_2: DA14.2 R38.2
NetDA14_6: DA14.6 DD2.4 DD2.5 R46.1
NetDA15_2: DA15.2 R39.2
NetDA15_6: DA15.6 DD2.9 DD2.10 R47.1
NetDA16_2: DA16.2 R40.1
NetDA16_6: DA16.6 DD2.12 DD2.13 R48.1
NetDA17_2: DA17.2 L4.1 VD4.C
NetDA18_2: DA18.2 L5.1 VD5.C
NetDA19_7: DA19.7 R58.1
NetDA20_7: DA20.7 R60.1
NetDA21_7: DA21.7 R62.1
NetDA22_7: DA22.7 R56.1
NetDA23_1: DA23.1 R68.2 R72.1
NetDA23_2: DA23.2 R57.2 R68.1
NetDA23_3: DA23.3 R58.2 R65.1
NetDA23_5: DA23.5 R60.2 R66.1
NetDA23_6: DA23.6 R59.2 R69.1
NetDA23_7: DA23.7 R69.2 R73.1
NetDA24_1: DA24.1 R70.2 R74.1
NetDA24_2: DA24.2 R61.2 R70.1
NetDA24_3: DA24.3 R62.2 R67.1
NetDA24_5: DA24.5 R56.2 R64.1
NetDA24_6: DA24.6 R63.2 R71.1
NetDA24_7: DA24.7 R71.2 R75.1
NetDA25_2: DA25.2 R86.1
NetDA25_3: DA25.3 DD3.3 R84.1
NetDA25_5: DA25.5 R95.2 VT1.1
NetDA25_6: DA25.6 R98.1
NetDA26_2: DA26.2 R87.1
NetDA26_3: DA26.3 DD3.6 R85.1
NetDA26_5: DA26.5 R96.2 VT2.1
NetDA26_6: DA26.6 R99.1
NetDA27_2: DA27.2 R88.1
NetDA27_3: DA27.3 DD3.8 R83.1
NetDA27_5: DA27.5 R97.2 VT3.1
NetDA27_6: DA27.6 R100.1
NetDA28_3: DA28.3 DA28.4 VD12.C VT1.2
NetDA28_7: DA28.7 R94.1
NetE2_1: E2.1 XS1.24
NetE2_2: E2.2 R8.2
NetE3_1: E3.1 XS1.3
NetE4_1: E4.1 XS1.5
NetE5_1: E5.1 XS5.3
NetE6_1: E6.1 XS5.4
NetE7_1: E7.1 XS5.5
NetE8_1: E8.1 XS5.6
NetHL1_a: HL1.a R29.2
NetHL2_a: HL2.a R30.2
NetHL3_a: HL3.a R31.2
NetHL4_a: HL4.a R32.2
NetR6_2: R6.2 XS1.11
NetR7_2: R7.2 XS1.13
NetR9_2: R9.2 XS1.26
NetR13_1: R13.1 XS2.21
NetR14_1: R14.1 XS2.22
NetR26_2: R26.2 R28.1
O\E\: DD4.2 DD6.22
P1V: DA6.1 DA6.2 K3.1 R19.1 R57.1 R59.1 R61.1 R63.1 R93.1
P5V: C5.2 C7.1 C8.p C12.1 C48.1 C49.1 DA4.4 DA8.3 DD5.3 DD6.1 K6.1 L2.1 R29.1 XP1.1 XP1.5 XP2.1 XP2.5 XS1.2 XS1.4 XS2.1 XS4.1
P5V_A: C9.2 C10.p C11.2 C33.2 C34.2 DA3.8 DA5.8 DA6.8 DA19.8 DA20.8 DA21.8 DA22.8 DA23.8 DA24.8 DA28.8 K7.1 L2.2 R16.2 R17.2 R23.1
P5V_EXT_1: C21.p C24.2 DA9.8 DA10.8 DA11.8 DA12.8 DA17.4 DD1.14 K16.1 L4.2 R31.1 R41.2 R42.2 R43.2 R44.2 XS8.1
P5V_EXT_2: C22.p C25.2 DA13.8 DA14.8 DA15.8 DA16.8 DA18.4 DD2.14 K17.1 L5.2 R32.1 R45.2 R46.2 R47.2 R48.2 XS7.1
PI_CS1: DD4.25 R6.1
PI_CS2: DD4.43 R7.1
PI_MOWER1_EN: DD3.2 R78.1 XS1.15
PI_MOWER2_EN: DD3.5 R81.1 XS1.16
PI_MOWER3_EN: DD3.10 R77.1 XS1.18
PI_UART_RX: R92.1 XS1.10
PI_UART_TX: R91.1 XS1.8
PWM1: DD1.3 K8.1 XS8.3
PWM2: DD1.6 K9.1 XS8.5
PWM3: DD2.3 K10.1 XS7.3
PWM4: DD2.6 K11.1 XS7.5
RESET: C23.2 DD4.7 R53.2 SB2.2 XS3.3
RPI_GPIO25: XS1.22 XS2.28
RPI_GPIO26: XS1.37 XS2.29
RPI_PCM_DIN: XS1.38 XS2.26
RPI_PCM_DOUT: XS1.40 XS2.27
RPI_PCM_FS: XS1.35 XS2.25
RPI_PWM0: XS1.32 XS2.23
RPI_PWM1: XS1.33 XS2.24
SPI_MISO: DD4.35 E7.2 XS1.21 XS2.14
SPI_MOSI: DD4.36 E6.2 XS1.19 XS2.15
SPI_SCK: DD4.34 E5.2 XS1.23 XS2.16
ST_MOWER1_EN: DD3.1 DD4.28 R80.1
ST_MOWER2_EN: DD3.4 DD4.18 R76.1
ST_MOWER3_EN: DD3.9 DD4.24 R79.1
SWCLK: DD4.49 XS3.5
SWDIO: DD4.46 XS3.4
TIMER_RESERVED_1: DD4.39 XS2.7
TIMER_RESERVED_2: DD4.40 XS2.8
TIMER_RESERVED_3: DD4.26 XS2.9
TIMER_RESERVED_4: DD4.27 XS2.10
UART1_RX: DD4.52 R91.2
UART1_TX: DD4.51 R92.2
UART2_RX: DD4.54 R14.2
UART2_TX: DD4.53 R13.2
Uref: C18.1 C20.1 DD4.13 L3.2 R51.2
VBAT: C1.p C2.1 C3.1 C16.p C17.p DA1.8 DA17.1 DA18.1 DA25.8 DA26.8 DA27.8 L1.1 R12.1 R98.2 R99.2 R100.2 VD1.C VD2.C
VBAT_ADC: C13.1 DD4.22 K2.1 R24.2 VD3.3
VIN+: VD1.A VD2.A VD15.C VD16.C VD17.C X2.1
VOLTAGE: E1.2 R1.2 R2.1 X2.2
pads on no net: BQ2.2 DA2.1 DA2.4 DA2.7 DA3.1 DA3.4 DA3.7 DA4.5 DA9.1 DA9.4 DA9.7 DA10.1 DA10.4 DA10.7 DA11.1 DA11.4 DA11.7 DA12.1 DA12.4 DA12.7 DA13.1 DA13.4 DA13.7 DA14.1 DA14.4 DA14.7 DA15.1 DA15.4 DA15.7 DA16.1 DA16.4 DA16.7 DA17.6 DA18.6 DA25.1 DA25.4 DA25.7 DA26.1 DA26.4 DA26.7 DA27.1 DA27.4 DA27.7 DD3.11 DD3.12 DD3.13 DD4. DD5.5 DD5.8 DD6. VD3.2 VD6.2 VD7.2 VD8.2 VD9.2 VD10.2 VD11.2 XS1.7 XS1.12 XS1.27 XS1.28 XS1.41 XS1.42 XS1.43 XS1.44 XS1.S1 XS1.S2 XS1.S3 XS1.S4 XS4.2 XS4.3
copper on no net: | length 0.3
  Top Layer w0.24: 137.975,35.65 138.2,35.425
  other v1: 169.8,43.125 233.8,43.125 98.1,43.15 162.1,43.15 169.8,137.125 233.8,137.125 98.1,137.15 162.1,137.15
  other v2: 231.521,2.602

## Silkscreen, mask and mechanical layers (free items; w line width, h text height)
Mechanical 13:
  the board outline again, w0.24

## Text inside footprints (layer, text, board x,y; h text height)
DA4: Top Overlay "URB_LD-20WR3" at 41.71,67.194 h3.5; Top Overlay "GND" at 41.817,78.081 h3.5; Top Overlay "Vin" at 41.788,72.936 h3.5; Top Overlay "+Vo" at 72.029,65.108 h3.5; Top Overlay "Trim" at 72.029,75.746 h3.5; Top Overlay "0V" at 72.023,86.105 h3.5; Top Overlay "Ctrl" at 40.67,85.45 h3.5
R2: Mechanical 17 "L=8.0 D=3.5 d=0,6 A=13,75 / вариант формовки выводов 140.02.0304.00.00 / по ГОСТ 29137-91" at 133.452,296.299 h0.7 r90
R16: Mechanical 17 "L=8.0 D=3.5 d=0,6 A=13,75 / вариант формовки выводов 140.02.0304.00.00 / по ГОСТ 29137-91" at 291.884,349.504 h0.7 r90
R17: Mechanical 17 "L=8.0 D=3.5 d=0,6 A=13,75 / вариант формовки выводов 140.02.0304.00.00 / по ГОСТ 29137-91" at 297.46,349.504 h0.7 r90
R25: Mechanical 17 "L=8.0 D=3.5 d=0,6 A=13,75 / вариант формовки выводов 140.02.0304.00.00 / по ГОСТ 29137-91" at 280.409,295.049 h0.7 r90
R28: Mechanical 17 "L=8.0 D=3.5 d=0,6 A=13,75 / вариант формовки выводов 140.02.0304.00.00 / по ГОСТ 29137-91" at 157.903,321.695 h0.7 r90
R51: Mechanical 17 "L=8.0 D=3.5 d=0,6 A=13,75 / вариант формовки выводов 140.02.0304.00.00 / по ГОСТ 29137-91" at 120.151,322.945 h0.7 r90
X1: Top Overlay "OUT" at 149.925,36.375 h1.2; Top Overlay "IN" at 145.2,36.425 h1.2
X5: Top Overlay "OUT" at 136.763,324.853 h1.2; Top Overlay "IN" at 132.038,324.903 h1.2
X6: Top Overlay "OUT" at 55.325,33.425 h1.2; Top Overlay "IN" at 50.6,33.475 h1.2
X7: Top Overlay "OUT" at 110.75,36.75 h1.2; Top Overlay "IN" at 106.025,36.8 h1.2
X8: Top Overlay "OUT" at 156.514,351.412 h1.2; Top Overlay "IN" at 151.789,351.462 h1.2